# Allegro board SG2042_EVB_V1_1.brd (continued)
## Routing (per net, layer and track width the routed paths; a pad name or vN(x,y) marks a point on that pad's centre or on a via; arc(x,y) is an arc through that point) (continued)
SCKT_ID0: length 190.6
  TOP w0.089: 142.81,133.91 142.87,133.85 142.87,132.25 U1.C34
  TOP w0.102: v1(202.01,183.57) 201.11,183.57 199.53,181.99 191.29,181.99 181.82,172.52 169.57,172.52 165.81,168.76 165.81,163.96 142.81,140.95 142.81,133.91 ; R164.2 v1(259.01,134.11) SW4.1
  ART10 w0.102: v1(259.01,134.11) 254.3,138.82 254.3,171.61 248.21,177.71 248.21,181.25 v1(247.83,181.64)
  BOTTOM w0.102: v1(247.83,181.64) 247.6,181.86 218.38,181.86 217.23,180.72 204.85,180.72 v1(202.01,183.57)
SCKT_ID1: length 185.7
  TOP w0.102: SW4.2 v1(259.01,132.84) R176.2 ; U1.F33 v1(142.97,129.15)
  ART10 w0.102: v1(259.01,132.84) 254.1,137.75 254.1,171.53 247.83,177.8 v1(247.83,178.89)
  BOTTOM w0.102: v1(142.97,129.15) 142.35,129.77 142.35,138.02 171.49,167.16 174.31,167.16 186.25,179.1 217.91,179.1 219.05,180.24 241.43,180.24 242.78,178.89 v1(247.83,178.89)
SD_PWR_3V3: length 1.4
  TOP w0.254: U5.A1 44.75,222.1 FB2.2
SDIO_CD_X: length 141.3
  TOP w0.089: U1.B25 134.08,133.04 134.08,133.85 134.14,133.91
  TOP w0.102: 134.14,133.91 134.14,142.11 132.05,144.2 132.05,155.15 126.88,160.32 108.19,160.32 94.32,174.19 93.24,174.19 78.51,188.92 78.51,199.24 64.31,213.44 v1(64.31,217.47) ; R2127.2 v1(52.88,224.92) R54.2
  ART03 w0.102: v1(64.31,217.47) 60.33,217.47 v1(52.88,224.92)
SDIO_CLK: length 151.8
  TOP w0.102: v1(67.26,218.34) 67.26,213.51 80.64,200.13 80.64,189.81 94.13,176.33 95.21,176.33 109.08,162.46 127.76,162.46 134.19,156.03 134.19,145.08 136.47,142.8 U1.A27 ; R46.2 v1(49.66,224.92)
  ART03 w0.102: v1(67.26,218.34) 66.8,218.8 65.68,218.8 65.23,219.25 61.42,219.25 56.87,223.81 56.72,223.81 56.57,223.66 56.43,223.66 56.25,223.84 56.25,223.98 56.4,224.13 56.4,224.28 56.22,224.46 56.08,224.46 55.42,223.8 55.28,223.8 55.1,223.98 55.1,224.12 55.75,224.78 55.75,224.92 55.57,225.1 55.43,225.1 54.77,224.45 54.63,224.45 54.45,224.63 54.45,224.77 55.11,225.43 55.11,225.57 54.93,225.75 54.78,225.75 54.13,225.09 53.98,225.09 53.27,225.81 50.55,225.81 v1(49.66,224.92)
SDIO_CMD: length 154.2
  TOP w0.089: U1.B27 136.08,133.04 136.08,133.85 136.14,133.91
  TOP w0.102: R47.2 v1(46.3,224.92) R48.2 ; v1(67.26,219.2) 66.88,218.82 66.88,213.46 80.34,200 80.34,189.68 94,176.02 95.08,176.02 108.95,162.15 127.64,162.15 133.88,155.91 133.88,144.96 136.14,142.7 136.14,133.91
  ART03 w0.102: v1(46.3,224.92) 47.45,226.06 54.98,226.06 55.32,225.71 55.47,225.71 55.69,225.93 55.83,225.93 56.01,225.75 56.01,225.61 55.79,225.39 55.79,225.25 55.97,225.07 56.11,225.07 56.33,225.29 56.48,225.29 56.66,225.11 56.66,224.96 56.44,224.74 56.44,224.6 61.38,219.66 66.8,219.66 v1(67.26,219.2)
SDIO_DAT0: length 155.8
  TOP w0.089: 134.81,133.91 134.87,133.85 134.87,131.25 U1.D26
  TOP w0.102: 134.81,133.91 134.81,142.31 132.66,144.45 132.66,155.4 127.13,160.93 108.44,160.93 94.58,174.8 93.49,174.8 79.12,189.18 79.12,199.49 65.48,213.13 65.48,217.93 v1(65.89,218.34) ; R49.2 v1(50.65,224.92)
  ART03 w0.102: v1(50.65,224.92) 51.28,225.55 53.17,225.55 55.48,223.24 55.62,223.24 55.9,223.51 56.04,223.51 56.22,223.33 56.22,223.19 55.95,222.92 55.95,222.77 56.13,222.59 56.27,222.59 56.93,223.25 57.07,223.25 57.25,223.07 57.25,222.93 56.59,222.27 56.59,222.13 56.77,221.95 56.92,221.95 57.57,222.6 57.72,222.6 57.9,222.42 57.9,222.28 57.24,221.62 57.24,221.48 57.42,221.3 57.56,221.3 58.22,221.96 58.36,221.96 58.54,221.78 58.54,221.63 57.89,220.98 57.89,220.83 58.07,220.65 58.21,220.65 58.87,221.31 59.01,221.31 59.19,221.13 59.19,220.99 58.99,220.78 58.99,220.64 59.17,220.46 59.31,220.46 59.51,220.66 59.66,220.66 61.5,218.82 65.07,218.82 65.56,218.34 v1(65.89,218.34)
SDIO_DAT1: length 154.3
  TOP w0.089: 135.14,133.91 135.08,133.85 135.08,132.04 U1.C26
  TOP w0.102: 135.14,133.91 135.14,142.41 132.97,144.58 132.97,155.53 127.26,161.24 108.57,161.24 94.7,175.11 93.62,175.11 79.43,189.3 79.43,199.62 65.89,213.16 v1(65.89,217.47) ; R50.2 v1(51.77,224.92)
  ART03 w0.102: v1(65.89,217.47) 65.46,217.91 64.35,217.91 64.25,218.01 64.25,218.41 64.14,218.52 63.89,218.52 63.79,218.41 63.79,218.01 63.69,217.91 63.43,217.91 63.33,218.01 63.33,218.41 63.23,218.52 62.98,218.52 62.87,218.41 62.87,217.83 62.77,217.73 62.52,217.73 62.42,217.83 62.42,218.41 62.32,218.52 62.06,218.52 61.96,218.41 61.96,217.83 61.86,217.73 61.6,217.73 61.5,217.83 61.5,218.41 61.4,218.52 61.15,218.52 61.05,218.41 61.05,217.83 60.94,217.73 60.63,217.73 60.15,218.2 60.15,218.35 60.81,219 60.81,219.15 60.63,219.33 60.49,219.33 59.83,218.67 59.69,218.67 59.51,218.85 59.51,218.99 60.16,219.65 60.16,219.79 59.98,219.97 59.84,219.97 59.18,219.32 59.04,219.32 58.86,219.5 58.86,219.64 59.13,219.91 59.13,220.06 58.95,220.24 58.81,220.24 58.54,219.96 58.39,219.96 53.06,225.3 52.15,225.3 v1(51.77,224.92)
SDIO_DAT2: length 155.3
  TOP w0.089: 135.81,133.91 135.87,133.85 135.87,133.04 U1.B26
  TOP w0.102: v1(67.26,220.07) 66.57,219.38 66.57,213.34 80.04,199.87 80.04,189.56 93.87,175.72 94.96,175.72 108.82,161.85 127.51,161.85 133.58,155.78 133.58,144.83 135.81,142.6 135.81,133.91 ; R53.2 v1(44.07,224.92)
  ART03 w0.102: v1(44.07,224.92) 45.72,226.57 55.92,226.57 62.03,220.47 66.86,220.47 v1(67.26,220.07)
SDIO_DAT3: length 153.2
  TOP w0.102: U1.A26 135.47,142.51 133.27,144.71 133.27,155.65 127.38,161.54 108.7,161.54 94.83,175.41 93.75,175.41 79.73,189.43 79.73,199.75 66.27,213.21 66.27,219.68 v1(65.89,220.07) ; R51.2 v1(45.19,224.92)
  ART03 w0.102: v1(65.89,220.07) 62.07,220.07 61.64,220.49 61.5,220.49 61.33,220.32 61.18,220.32 61,220.5 61,220.65 61.17,220.82 61.17,220.96 60.99,221.14 60.85,221.14 60.68,220.97 60.54,220.97 60.36,221.15 60.36,221.29 60.53,221.46 60.53,221.61 60.35,221.79 60.2,221.79 60.03,221.62 59.89,221.62 59.71,221.8 59.71,221.94 59.88,222.11 59.88,222.25 55.82,226.31 46.58,226.31 v1(45.19,224.92)
SDIO_PWR_EN: length 155.6
  TOP w0.102: U1.D25 v1(133.97,131.15) ; v1(44.63,180.72) 41.99,183.36 41.99,211.61 44.09,213.72 R52.1
  BOTTOM w0.102: v1(133.97,131.15) 133.97,136.28 116.61,153.64 113.92,153.64 86.49,181.08 51.01,181.08 50.73,181.36 45.26,181.36 v1(44.63,180.72)
SDIO_RST_X: length 126.2
  TOP w0.089: 133.81,133.91 133.87,133.85 133.87,132.25 U1.C25
  TOP w0.102: T7.1 63.68,213.64 78.21,199.11 78.21,188.8 93.11,173.89 94.2,173.89 108.06,160.02 126.75,160.02 131.75,155.02 131.75,144.07 133.81,142.02 133.81,133.91
SDIO_WP: length 123.6
  TOP w0.102: R41.1 64.97,213.21 78.82,199.37 78.82,189.05 93.37,174.5 94.45,174.5 108.32,160.63 127,160.63 132.36,155.27 132.36,144.33 134.47,142.21 U1.A25
SG2042_LPC_RST: length 88.3
  TOP w0.102: R2275.2 v1(251.28,131.14) ; R595.2 v1(294.21,172.69)
  ART03 w0.102: v1(251.28,131.14) 270.64,131.14 271.73,130.05 v1(293.78,130.05)
  ART10 w0.102: v1(293.78,130.05) 293.6,130.23 293.6,142.45 292.23,143.82 292.23,169.07 293.62,170.47 293.62,172.11 v1(294.21,172.69)
SLOT0_I2C_SCL: length 403.5
  TOP w0.102: R2257.2 v1(287.25,178.16) ; J1104.B5 v1(18.92,111.9)
  ART03 w0.102: v1(285.01,212.42) 284.69,212.42 275.88,221.23 243.33,221.23 242.11,222.45 213.18,222.45 211.63,220.9 177.53,220.9 171.86,215.24 114.59,215.24 113.26,216.56 105.39,216.56 104.07,215.24 88.33,215.24 87.77,215.8 80.55,215.8 79.94,215.19 44.7,215.19 v1(41.38,211.86)
  ART10 w0.102: v1(41.38,211.86) 41.35,211.84 41.35,210.43 40.36,209.44 40.36,186.96 25.73,172.33 25.73,138.67 15.49,128.43 15.49,115.33 v1(18.92,111.9) ; v1(287.25,178.16) 286.59,178.82 286.59,200.32 284.45,202.46 284.45,211.86 v1(285.01,212.42)
SLOT0_I2C_SDA: length 404.3
  TOP w0.102: J1104.B6 v1(18.92,110.9) ; R2256.2 v1(288.11,178.16)
  ART03 w0.102: v1(40.97,211.46) 41.53,211.46 45.06,214.99 80.02,214.99 80.63,215.6 87.69,215.6 88.25,215.04 104.16,215.04 105.48,216.36 113.18,216.36 114.5,215.04 171.95,215.04 177.61,220.7 211.72,220.7 213.27,222.25 242.03,222.25 243.25,221.03 275.79,221.03 v1(285.01,211.81)
  ART10 w0.102: v1(285.01,211.81) 284.66,211.46 284.66,202.54 286.79,200.41 286.79,200.24 286.79,179.48 v1(288.11,178.16) ; v1(40.97,211.46) 40.97,210.34 40.16,209.53 40.16,187.04 25.53,172.41 25.53,138.76 15.29,128.52 15.29,114.53 v1(18.92,110.9)
SLOT0_PRSENT2_0: length 395.4
  TOP w0.102: R2331.1 v1(257.66,179.81) ; J1104.B17 v1(14.77,97.9)
  ART10 w0.102: v1(247.98,223.67) 248.49,223.16 248.49,201.68 254.79,195.38 254.79,182.68 v1(257.66,179.81) ; v1(14.77,97.9) 13.54,99.13 13.54,110.59 14.48,111.53 14.48,128.86 24.71,139.09 24.71,172.75 39.34,187.38 39.34,210.49 41.61,212.75 v1(41.61,215.01)
  BOTTOM w0.102: v1(41.61,215.01) 42.32,215.72 47.12,215.72 49.03,213.82 104.82,213.82 106.32,215.32 167.51,215.32 175.64,223.44 247.75,223.44 v1(247.98,223.67) ; R2331.1 v1(257.66,179.81)
SLOT0_PRSENT2_1: length 410.3
  TOP w0.102: J1104.B31 v1(14.77,83.9) ; R2332.1 v1(258.52,179.81)
  ART10 w0.102: v1(258.52,179.81) 254.99,183.34 254.99,195.46 248.69,201.76 248.69,223.57 v1(248.59,223.67) ; v1(14.77,83.9) 13.34,85.34 13.34,110.68 14.27,111.62 14.27,128.94 24.51,139.18 24.51,172.83 39.14,187.46 39.14,210.57 41.2,212.63 v1(41.2,214.6)
  BOTTOM w0.102: v1(41.2,214.6) 41.74,214.6 42.65,215.52 47.04,215.52 48.94,213.61 104.9,213.61 106.4,215.11 167.6,215.11 175.73,223.24 248.16,223.24 v1(248.59,223.67) ; R2332.1 v1(258.52,179.81)
SLOT0_PRSENT2_2: length 428.4
  TOP w0.102: R2333.1 v1(259.38,179.81) ; J1104.B48 v1(14.77,66.9)
  ART10 w0.102: v1(259.38,179.81) 255.19,184 255.19,195.55 248.89,201.84 248.89,223.37 v1(249.2,223.67) ; v1(14.77,66.9) 13.13,68.54 13.13,110.76 14.07,111.7 14.07,129.02 24.31,139.26 24.31,172.92 38.94,187.55 38.94,210.65 40.79,212.51 v1(40.79,214.2)
  BOTTOM w0.102: R2333.1 v1(259.38,179.81) ; v1(40.79,214.2) 41.62,214.2 42.74,215.32 46.96,215.32 48.86,213.41 104.99,213.41 106.49,214.91 167.68,214.91 175.81,223.04 248.56,223.04 v1(249.2,223.67)
SLOT0_PRSENT2_3: length 462.6
  TOP w0.102: J1104.B81 v1(14.77,33.9) ; R2334.1 v1(260.25,179.81)
  ART10 w0.102: v1(14.77,33.9) 12.93,35.74 12.93,110.84 13.87,111.78 13.87,129.11 24.1,139.35 24.1,173 38.73,187.63 38.73,210.74 40.39,212.39 v1(40.39,213.79) ; v1(249.81,223.67) 249.1,222.96 249.1,201.93 255.4,195.63 255.4,184.66 v1(260.25,179.81)
  BOTTOM w0.102: v1(249.81,223.67) 248.97,222.83 175.9,222.83 167.77,214.71 106.57,214.71 105.07,213.21 48.78,213.21 46.87,215.11 42.82,215.11 41.5,213.79 v1(40.39,213.79) ; R2334.1 v1(260.25,179.81)
SLOT1_I2C_SCL: length 169.3
  TOP w0.102: J2018.B5 v1(285.88,36.9) ; R2259.2 v1(288.98,178.16)
  ART10 w0.102: v1(285.88,36.9) 286.68,37.7 288.53,37.7 291.67,40.84 291.67,113.63 283.64,121.66 283.64,161.69 273.69,171.64 273.69,177.7 v1(273.94,177.95)
  BOTTOM w0.102: v1(288.98,178.16) 288.59,177.77 274.12,177.77 v1(273.94,177.95)
SLOT1_I2C_SDA: length 170.6
  TOP w0.102: R2258.2 v1(289.84,178.16) ; J2018.B6 v1(285.88,37.9)
  ART10 w0.102: v1(273.08,177.95) 273.49,177.54 273.49,171.56 283.44,161.61 283.44,121.58 291.46,113.55 291.46,40.92 288.44,37.9 v1(285.88,37.9)
  BOTTOM w0.102: v1(273.08,177.95) 273.46,177.57 289.26,177.57 v1(289.84,178.16)
SLOT1_PRSENT2_0: length 147.6
  TOP w0.102: R2335.1 v1(261.11,179.81) ; J2018.B17 v1(290.03,50.9)
  ART10 w0.102: v1(290.03,50.9) 289.43,51.49 289.43,114.72 278.41,125.74 278.41,159.61 262.43,175.59 262.43,178.49 v1(261.11,179.81)
  BOTTOM w0.102: R2335.1 v1(261.11,179.81)
SLOT1_PRSENT2_1: length 133.2
  TOP w0.102: R2336.1 v1(261.98,179.81) ; J2018.B31 v1(290.03,64.9)
  ART10 w0.102: v1(261.98,179.81) 262.64,179.15 262.64,175.67 278.61,159.69 278.61,125.83 289.64,114.8 289.64,65.29 v1(290.03,64.9)
  BOTTOM w0.102: R2336.1 v1(261.98,179.81)
SLOT1_PRSENT2_2: length 115.9
  TOP w0.102: R2337.1 v1(262.84,179.81) ; J2018.B48 v1(290.03,81.9)
  ART10 w0.102: v1(290.03,81.9) 289.84,82.09 289.84,114.89 278.82,125.91 278.82,159.78 262.84,175.75 v1(262.84,179.81)
  BOTTOM w0.102: R2337.1 v1(262.84,179.81)
SLOT2_I2C_SCL: length 194.5
  TOP w0.102: J2019.B5 v1(245.24,36.9) ; R2261.2 v1(290.7,178.16)
  ART10 w0.102: v1(245.72,177.01) 248.71,174.02 248.71,121.55 251.46,118.8 251.46,40.5 248.65,37.7 246.04,37.7 v1(245.24,36.9)
  BOTTOM w0.102: v1(245.72,177.01) 246.3,176.43 288.98,176.43 v1(290.7,178.16)
SLOT2_I2C_SDA: length 196
  TOP w0.102: R2260.2 v1(291.57,178.16) ; J2019.B6 v1(245.24,37.9)
  ART10 w0.102: v1(244.86,177.01) 248.51,173.36 248.51,121.46 251.26,118.71 251.26,40.59 248.57,37.9 v1(245.24,37.9)
  BOTTOM w0.102: v1(291.57,178.16) 289.64,176.23 245.64,176.23 v1(244.86,177.01)
SLOT2_PRSENT2_0: length 180.2
  TOP w0.102: R2323.2 v1(260.27,203.89) ; J2019.B17 v1(249.39,50.9)
  ART03 w0.102: v1(260.27,203.89) 259.89,204.27 244.63,204.27 v1(243.64,203.28)
  ART10 w0.102: v1(249.39,50.9) 250.44,51.96 250.44,118.37 242.87,125.94 242.87,193.3 243.41,193.84 243.41,203.05 v1(243.64,203.28)
  BOTTOM w0.102: R2323.2 v1(260.27,203.89)
SLOT2_PRSENT2_1: length 167.6
  TOP w0.102: R2324.2 v1(261.14,203.89) ; J2019.B31 v1(249.39,64.9)
  ART03 w0.102: v1(243.64,203.89) 244.22,204.47 260.55,204.47 v1(261.14,203.89)
  ART10 w0.102: v1(243.64,203.89) 243.21,203.45 243.21,193.92 242.67,193.39 242.67,125.86 250.24,118.29 250.24,65.75 v1(249.39,64.9)
  BOTTOM w0.102: R2324.2 v1(261.14,203.89)
SLOT2_PRSENT2_2: length 152
  TOP w0.102: R2325.2 v1(262,203.89) ; J2019.B48 v1(249.39,81.9)
  ART03 w0.102: v1(243.64,204.5) 243.81,204.67 261.21,204.67 v1(262,203.89)
  ART10 w0.102: v1(249.39,81.9) 250.04,82.55 250.04,118.21 242.47,125.77 242.47,193.47 243,194.01 243,203.86 v1(243.64,204.5)
  BOTTOM w0.102: R2325.2 v1(262,203.89)
SPI0_CS0_X: length 2.1
  TOP w0.102: v1(211.94,196.37) R2368.1 R215.2
  BOTTOM w0.102: v1(211.94,196.37) R2368.1
SPI0_CS1_X: length 1.8
  TOP w0.102: R2481.1 v1(226.62,196.98) R217.2
  BOTTOM w0.102: R2481.1 v1(226.62,196.98)
SPI0_HOLD_X: length 18
  TOP w0.102: R103.1 v1(237.79,195.71) U2013.7 ; U10.7 v1(222.5,195.71)
  ART03 w0.102: v1(222.5,195.71) 222.88,195.33 237.41,195.33 v1(237.79,195.71)
SPI0_SCK: length 18.1
  TOP w0.102: U2013.6 v1(237.79,194.44) ; U10.6 v1(222.5,194.44) R219.2
  ART03 w0.102: v1(222.5,194.44) 225.63,194.44 226.21,193.85 237.2,193.85 v1(237.79,194.44)
SPI0_SDI: length 18
  TOP w0.102: U10.2 v1(213.37,195.71) R220.2 ; U2013.2 v1(228.66,195.71)
  ART03 w0.102: v1(228.66,195.71) 224.79,195.71 224.41,196.09 213.75,196.09 v1(213.37,195.71)
SPI0_SDO: length 18
  TOP w0.102: U2013.5 v1(237.79,193.17) ; R222.2 v1(222.5,193.17) U10.5
  ART03 w0.102: v1(222.5,193.17) 225.81,193.17 226.21,193.57 237.38,193.57 v1(237.79,193.17)
SPI0_WP_X: length 18.8
  TOP w0.102: U10.3 v1(213.37,194.44) ; R102.2 v1(228.66,194.44) U2013.3
  ART03 w0.102: v1(228.66,194.44) 228.02,195.07 214,195.07 v1(213.37,194.44)
  BOTTOM w0.102: R102.2 v1(228.66,194.44)
SPI1_CS0_X: length 2.1
  TOP w0.102: R207.2 R2366.1 v1(211.94,188.7)
  BOTTOM w0.102: v1(211.94,188.7) R2366.1
SPI1_CS1_X: length 1.8
  TOP w0.102: R2489.1 v1(226.62,189.31) R209.2
  BOTTOM w0.102: v1(226.62,189.31) R2489.1
SPI1_HOLD_X: length 18
  TOP w0.102: R1258.1 v1(237.79,188.04) U2014.7 ; U811.7 v1(222.5,188.04)
  ART03 w0.102: v1(237.79,188.04) 237.41,187.66 222.88,187.66 v1(222.5,188.04)
SPI1_SCK: length 18.1
  TOP w0.102: R210.2 v1(222.5,186.77) U811.6 ; U2014.6 v1(237.79,186.77)
  ART03 w0.102: v1(222.5,186.77) 222.52,186.79 225.6,186.79 226.21,186.18 237.2,186.18 v1(237.79,186.77)
SPI1_SDI: length 18
  TOP w0.102: U811.2 v1(213.37,188.04) R211.2 ; U2014.2 v1(228.66,188.04)
  ART03 w0.102: v1(228.66,188.04) 224.79,188.04 224.41,188.42 213.75,188.42 v1(213.37,188.04)
SPI1_SDO: length 18
  TOP w0.102: U811.5 v1(222.5,185.5) R212.2 ; U2014.5 v1(237.79,185.5)
  ART03 w0.102: v1(237.79,185.5) 237.38,185.9 226.21,185.9 225.81,185.5 v1(222.5,185.5)
SPI1_WP_X: length 18.8
  TOP w0.102: U2014.3 v1(228.66,186.77) R1257.2 ; U811.3 v1(213.37,186.77)
  ART03 w0.102: v1(228.66,186.77) 228.02,187.4 214,187.4 v1(213.37,186.77)
  BOTTOM w0.102: v1(228.66,186.77) R1257.2
SPIF0_CLK_SEL0: length 22.7
  TOP w0.102: SW1.1 v1(259.01,163.27) R1220.2
  ART03 w0.102: J7.4 275.54,158.42 272.81,158.42 267.96,163.27 v1(259.01,163.27)
  BOTTOM w0.102: R1220.2 v1(259.01,163.27)
SPIF0_CLK_SEL1: length 24.2
  TOP w0.102: R1221.2 v1(259.01,162) SW1.2
  ART03 w0.102: v1(259.01,162) 267.6,162 271.43,158.17 274.85,158.17 275.64,157.38 275.64,155.78 J7.6
  BOTTOM w0.102: R1221.2 v1(259.01,162)
SPIF0_CS_X: length 20.8
  TOP w0.102: R1223.2 v1(259.32,151.33) U812.1
  ART03 w0.102: v1(259.32,151.33) 267.94,151.33 268.53,151.92 271.73,151.92 272.69,150.95 275.89,150.95 J7.8
  BOTTOM w0.102: v1(259.32,151.33) R1223.2
SPIF0_HOLD_X: length 21.5
  TOP w0.102: R1222.2 v1(268.44,150.06) U812.7
  ART03 w0.102: J7.18 277.98,140.34 277.98,147.65 277.29,148.34 272.83,148.34 271.61,149.56 268.95,149.56 v1(268.44,150.06)
  BOTTOM w0.102: R1222.2 v1(268.44,150.06)
SPIF0_SCK: length 10.9
  TOP w0.102: J7.10 275.64,150.7 273.05,150.7 271.81,149.45 269.29,149.45 269.06,149.22 R1224.2 U812.6
SPIF0_SDI: length 20.4
  TOP w0.102: R1225.2 v1(259.32,150.06) U812.2
  ART03 w0.102: v1(259.32,150.06) 260.08,149.3 271.5,149.3 272.72,148.08 275.72,148.08 J7.12
SPIF0_SDO: length 11.3
  TOP w0.102: U812.5 v1(268.44,147.52) R1226.2
  ART03 w0.102: J7.14 275.51,145.75 270.22,145.75 v1(268.44,147.52)
SPIF0_WP_X: length 24.5
  TOP w0.102: U812.3 v1(259.32,148.79) R1227.2
  ART03 w0.102: J7.16 275.64,143.08 275.64,144.88 275.03,145.49 262.62,145.49 v1(259.32,148.79)
  BOTTOM w0.102: v1(259.32,148.79) R1227.2 R1261.2
SPIF1_CLK_SEL0: length 19.1
  TOP w0.102: R1228.2 v1(259.01,160.73) SW1.3
  ART03 w0.102: J7.3 270.92,157.05 267.24,160.73 v1(259.01,160.73)
  BOTTOM w0.102: R1228.2 v1(259.01,160.73)
SPIF1_CLK_SEL1: length 19.7
  TOP w0.102: SW1.4 v1(259.01,159.46) R1229.2
  ART03 w0.102: v1(259.01,159.46) 266.88,159.46 271.83,154.51 J7.5
  BOTTOM w0.102: R1229.2 v1(259.01,159.46)
SPIF1_CS_X: length 29.9
  TOP w0.102: R1230.2 v1(259.32,143.51) U813.1
  ART03 w0.102: J7.7 273.63,152.7 257.73,152.7 256.49,151.46 256.49,146.34 v1(259.32,143.51)
  BOTTOM w0.102: R1230.2 v1(259.32,143.51)
SPIF1_HOLD_X: length 9.3
  TOP w0.102: U813.7 v1(268.44,142.24) R1231.2
  ART03 w0.102: J7.17 272.08,141.55 269.13,141.55 v1(268.44,142.24)
  BOTTOM w0.102: v1(268.44,142.24) R1231.2
SPIF1_SCK: length 13
  TOP w0.102: U813.6 R1232.2 269.06,141.43 269.24,141.6 270.74,141.6 272.26,143.13 272.26,147.32 J7.9
SPIF1_SDI: length 19.5
  TOP w0.102: R1233.2 v1(259.32,142.24) U813.2
  BOTTOM w0.102: J7.11 272.08,146.89 270.81,148.16 265.24,148.16 v1(259.32,142.24)
SPIF1_SDO: length 9.2
  TOP w0.102: U813.5 R1234.2 269.06,140.13 269.27,140.34 270.76,140.34 274.37,143.94 J7.13
SPIF1_WP_X: length 19.1
  TOP w0.102: U813.3 v1(259.32,140.97) R1235.2
  ART03 w0.102: J7.15 269.52,141.81 268.66,142.67 261.02,142.67 v1(259.32,140.97)
  BOTTOM w0.102: R1265.2 R1235.2 v1(259.32,140.97)
STATUS_LED0: length 32.8
  TOP w0.102: R2080.1 252.65,222.4 263.73,211.32 R2251.2
SYS_RST_X: length 198.6
  TOP w0.102: v1(6.1,214.15) C3267.1 6.11,214.77 K2.4 K2.2 6.1,225.43 R2302.1 ; v1(12.5,193.4) T5.1 R2474.1 ; U1.J25 v1(133.97,126.15)
  ART03 w0.102: v1(12.5,193.4) 12.9,193.8 16.26,193.8 16.43,193.62 17.55,193.62 17.58,193.6 17.58,193.6 26.27,184.91 58.32,184.91 v1(60.53,182.7)
  ART10 w0.102: v1(6.1,214.15) 5.59,213.64 5.59,199.69 11.89,193.4 v1(12.5,193.4) ; v1(60.53,182.7) 61.67,181.56 80.32,181.56 107.8,154.09 120.88,154.09 133.86,141.11 133.86,131.72 133.59,131.46 133.59,126.53 v1(133.97,126.15)
SYS_RST_X_H: length 287.6
  TOP w0.102: R2104.1 v1(246.91,195.86) ; R2306.2 v1(14.02,181.99)
  ART03 w0.102: v1(37.26,212.67) 38.09,212.67 41.21,215.8 79.68,215.8 80.29,216.41 88.03,216.41 88.58,215.85 103.82,215.85 105.14,217.17 113.52,217.17 114.84,215.85 168.33,215.85 175.75,223.27 242.45,223.27 243.67,222.05 244.07,222.05 v1(244.45,222.43)
  ART10 w0.102: v1(14.02,181.99) 22.07,190.04 29.18,190.04 36.86,197.72 36.86,211.44 37.26,211.85 v1(37.26,212.67) ; v1(244.45,222.43) 245.67,221.21 245.67,212.88 245.06,212.27 245.06,197.71 v1(246.91,195.86)
TEMP_N: length 102.1
  TOP w0.102: U1.C31 v1(139.97,132.15) ; R189.1 v1(210.97,181.43)
  BOTTOM w0.102: v1(139.97,132.15) 140.15,132.32 140.15,137.69 170.94,168.48 173.76,168.48 191.03,185.75 204,185.75 204.96,184.78 210.62,184.78 211.84,183.57 211.84,181.98 211.62,181.76 211.3,181.76 v1(210.97,181.43)
TEMP_P: length 102.2
  TOP w0.102: R173.1 v1(210.97,182.3) ; U1.D31 v1(139.97,131.15)
  BOTTOM w0.102: v1(210.97,182.3) 211.3,181.97 211.53,181.97 211.63,182.07 211.63,183.49 210.54,184.58 204.88,184.58 203.91,185.55 191.12,185.55 173.85,168.28 171.03,168.28 140.35,137.6 140.35,131.53 v1(139.97,131.15)
TEST_EN: length 191.6
  TOP w0.102: SW5.1 v1(259.01,109.68) R167.2 ; U1.G41 v1(150.97,128.15)
  ART10 w0.102: v1(259.01,109.68) 252.68,116.01 252.68,170 v1(251.49,171.2)
  BOTTOM w0.102: v1(251.49,171.2) 251.31,171.37 195.97,171.37 194.63,172.72 186.92,172.72 151.85,137.66 151.85,133.6 151.35,133.1 151.35,128.53 v1(150.97,128.15)
TEST_MOD: length 9.6
  TOP w0.102: R2490.2 v1(270.99,187.1)
  BOTTOM w0.102: R2490.2 v1(270.99,187.1) 276.89,192.99 J2005.1
TEST_MODE_BSD: length 198.6
  TOP w0.089: 149.81,133.91 149.87,133.85 149.87,132.25 U1.C41
  TOP w0.102: v1(200.81,175.97) 199.67,177.11 193.31,177.11 183.84,167.65 171.59,167.65 170.69,166.74 170.69,161.92 149.81,141.03 149.81,133.91 ; SW5.2 v1(259.01,108.41) R168.2
  ART03 w0.102: v1(251.49,170.33) 250.09,171.73 205.05,171.73 v1(200.81,175.97)
  ART10 w0.102: v1(251.49,170.33) 252.48,169.34 252.48,114.95 v1(259.01,108.41)
TEST_MODE_MBIST: length 197.8
  TOP w0.089: U1.B41 150.08,133.04 150.08,133.85 150.14,133.91
  TOP w0.102: 150.14,133.91 150.14,141.08 170.89,161.83 170.89,166.66 171.68,167.44 183.93,167.44 193.4,176.91 199.01,176.91 v1(200.81,175.11) ; R169.2 v1(259.01,107.14) SW5.3
  ART03 w0.102: v1(200.81,175.11) 204.39,171.53 249.43,171.53 v1(250.62,170.33)
  ART10 w0.102: v1(250.62,170.33) 252.27,168.68 252.27,113.88 v1(259.01,107.14)
TEST_MODE_SCAN: length 195.6
  TOP w0.102: SW5.4 v1(259.01,105.87) R170.2 ; U1.J41 v1(150.97,126.15)
  ART10 w0.102: v1(249.76,170.33) 252.07,168.02 252.07,112.81 v1(259.01,105.87)
  BOTTOM w0.102: v1(150.97,126.15) 151.59,126.77 151.59,133 152.09,133.5 152.09,137.61 187,172.52 194.54,172.52 195.89,171.17 248.92,171.17 v1(249.76,170.33)
UART0_CTS: length 1.6
  TOP w0.102: R203.1 283.99,223.07 U12.1
UART0_CTS_H: length 9.1
  TOP w0.102: J2007.9 296.37,218.11 296.37,221.06 294.26,223.16 R2227.2
UART0_RTS: length 1.8
  TOP w0.102: U12.3 284.43,221.77 R204.1
UART0_RTS_H: length 10.7
  TOP w0.102: R2228.2 294.26,222.3 296.04,220.52 296.04,215.9 J2007.11
UART0_RX: length 1.7
  TOP w0.102: R205.1 284.22,221.12 U12.4
UART0_RX_H: length 20.4
  TOP w0.102: R2473.2 v1(289.15,232.31) ; v1(295.12,220.57) 294.26,221.44 R2229.2
  ART10 w0.102: v1(289.15,232.31) 295.12,226.34 v1(295.12,220.57)
  BOTTOM w0.102: v1(295.12,220.57) 296.82,218.87 J2007.7
UART0_TX: length 1.6
  TOP w0.102: U12.5 284,220.47 R206.1
UART0_TX_H: length 18.4
  TOP w0.102: R2230.2 v1(294.26,220.57) ; R2472.2 v1(289.15,231.44)
  ART10 w0.102: v1(289.15,231.44) 294.26,226.34 v1(294.26,220.57)
  BOTTOM w0.102: v1(294.26,220.57) 295.1,221.41 J2007.5
UART1_CTS: length 1.6
  TOP w0.102: R213.1 284,219.82 U12.6
UART1_CTS_H: length 18.3
  TOP w0.102: R2231.2 294.26,219.71 295.71,218.26 295.71,206.07 J2007.19
UART1_RTS: length 1.7
  TOP w0.102: R214.1 284.22,219.17 U12.7
UART1_RTS_H: length 20
  TOP w0.102: R2232.2 294.26,218.85 295.38,217.73 295.38,203.86 J2007.21
UART1_RX: length 1.8
  TOP w0.102: U12.8 284.43,218.52 R216.1
UART1_RX_H: length 39.6
  TOP w0.102: R2233.2 v1(294.26,217.98) ; R2471.2 v1(277.44,232.92)
  ART03 w0.102: J2007.17 293.88,210.44 293.88,217.6 v1(294.26,217.98)
  ART10 w0.102: v1(277.44,232.92) 277.85,232.51 277.85,229.87 280.26,227.46 284.94,227.46 294.26,218.14 v1(294.26,217.98)
UART1_TX: length 1.9
  TOP w0.102: U12.9 284.64,217.87 R218.1
UART1_TX_H: length 34.6
  TOP w0.102: R2470.2 v1(277.44,230.84) ; R2234.2 v1(294.26,217.12)
  ART03 w0.102: J2007.15 294.26,212.6 v1(294.26,217.12)
  ART10 w0.102: v1(277.44,230.84) 277.65,230.63 277.65,229.79 280.18,227.25 284.84,227.25 293.73,218.36 293.73,217.65 v1(294.26,217.12)
UART2_CTS: length 1.6
  TOP w0.102: R221.1 283.99,207.83 U14.1
UART2_CTS_H: length 12.8
  TOP w0.102: R2219.2 v1(294.26,207.92)
  ART10 w0.102: v1(294.26,207.92) 294.26,211.89 297.43,215.06 299.42,215.06 J2007.10
UART2_RTS: length 1.8
  TOP w0.102: R223.1 284.43,206.53 U14.3
UART2_RTS_H: length 11.2
  TOP w0.102: R2220.2 v1(294.26,207.06)
  ART10 w0.102: v1(294.26,207.06) 294.64,207.44 294.64,209.73 297.43,212.52 299.42,212.52 J2007.12
UART2_RX: length 1.7
  TOP w0.102: U14.4 284.22,205.88 R224.1
UART2_RX_H: length 17.4
  TOP w0.102: R2221.2 v1(294.26,206.2)
  ART10 w0.102: v1(294.26,206.2) 293.88,206.58 293.88,214.05 297.43,217.6 299.42,217.6 J2007.8
UART2_TX: length 1.6
  TOP w0.102: U14.5 284,205.23 R230.1
UART2_TX_H: length 21
  TOP w0.102: R2222.2 v1(294.26,205.33)
  ART10 w0.102: v1(294.26,205.33) 293.67,205.92 293.67,214.43 294.97,215.72 294.97,217.68 297.43,220.14 299.42,220.14 J2007.6
UART3_CTS: length 1.6
  TOP w0.102: R233.1 284,204.58 U14.6
UART3_CTS_H: length 7.7
  TOP w0.102: R2223.2 v1(294.26,204.47)